# Altium PCB RTM_SFP.PcbDoc (part 16 of 17) (continued)
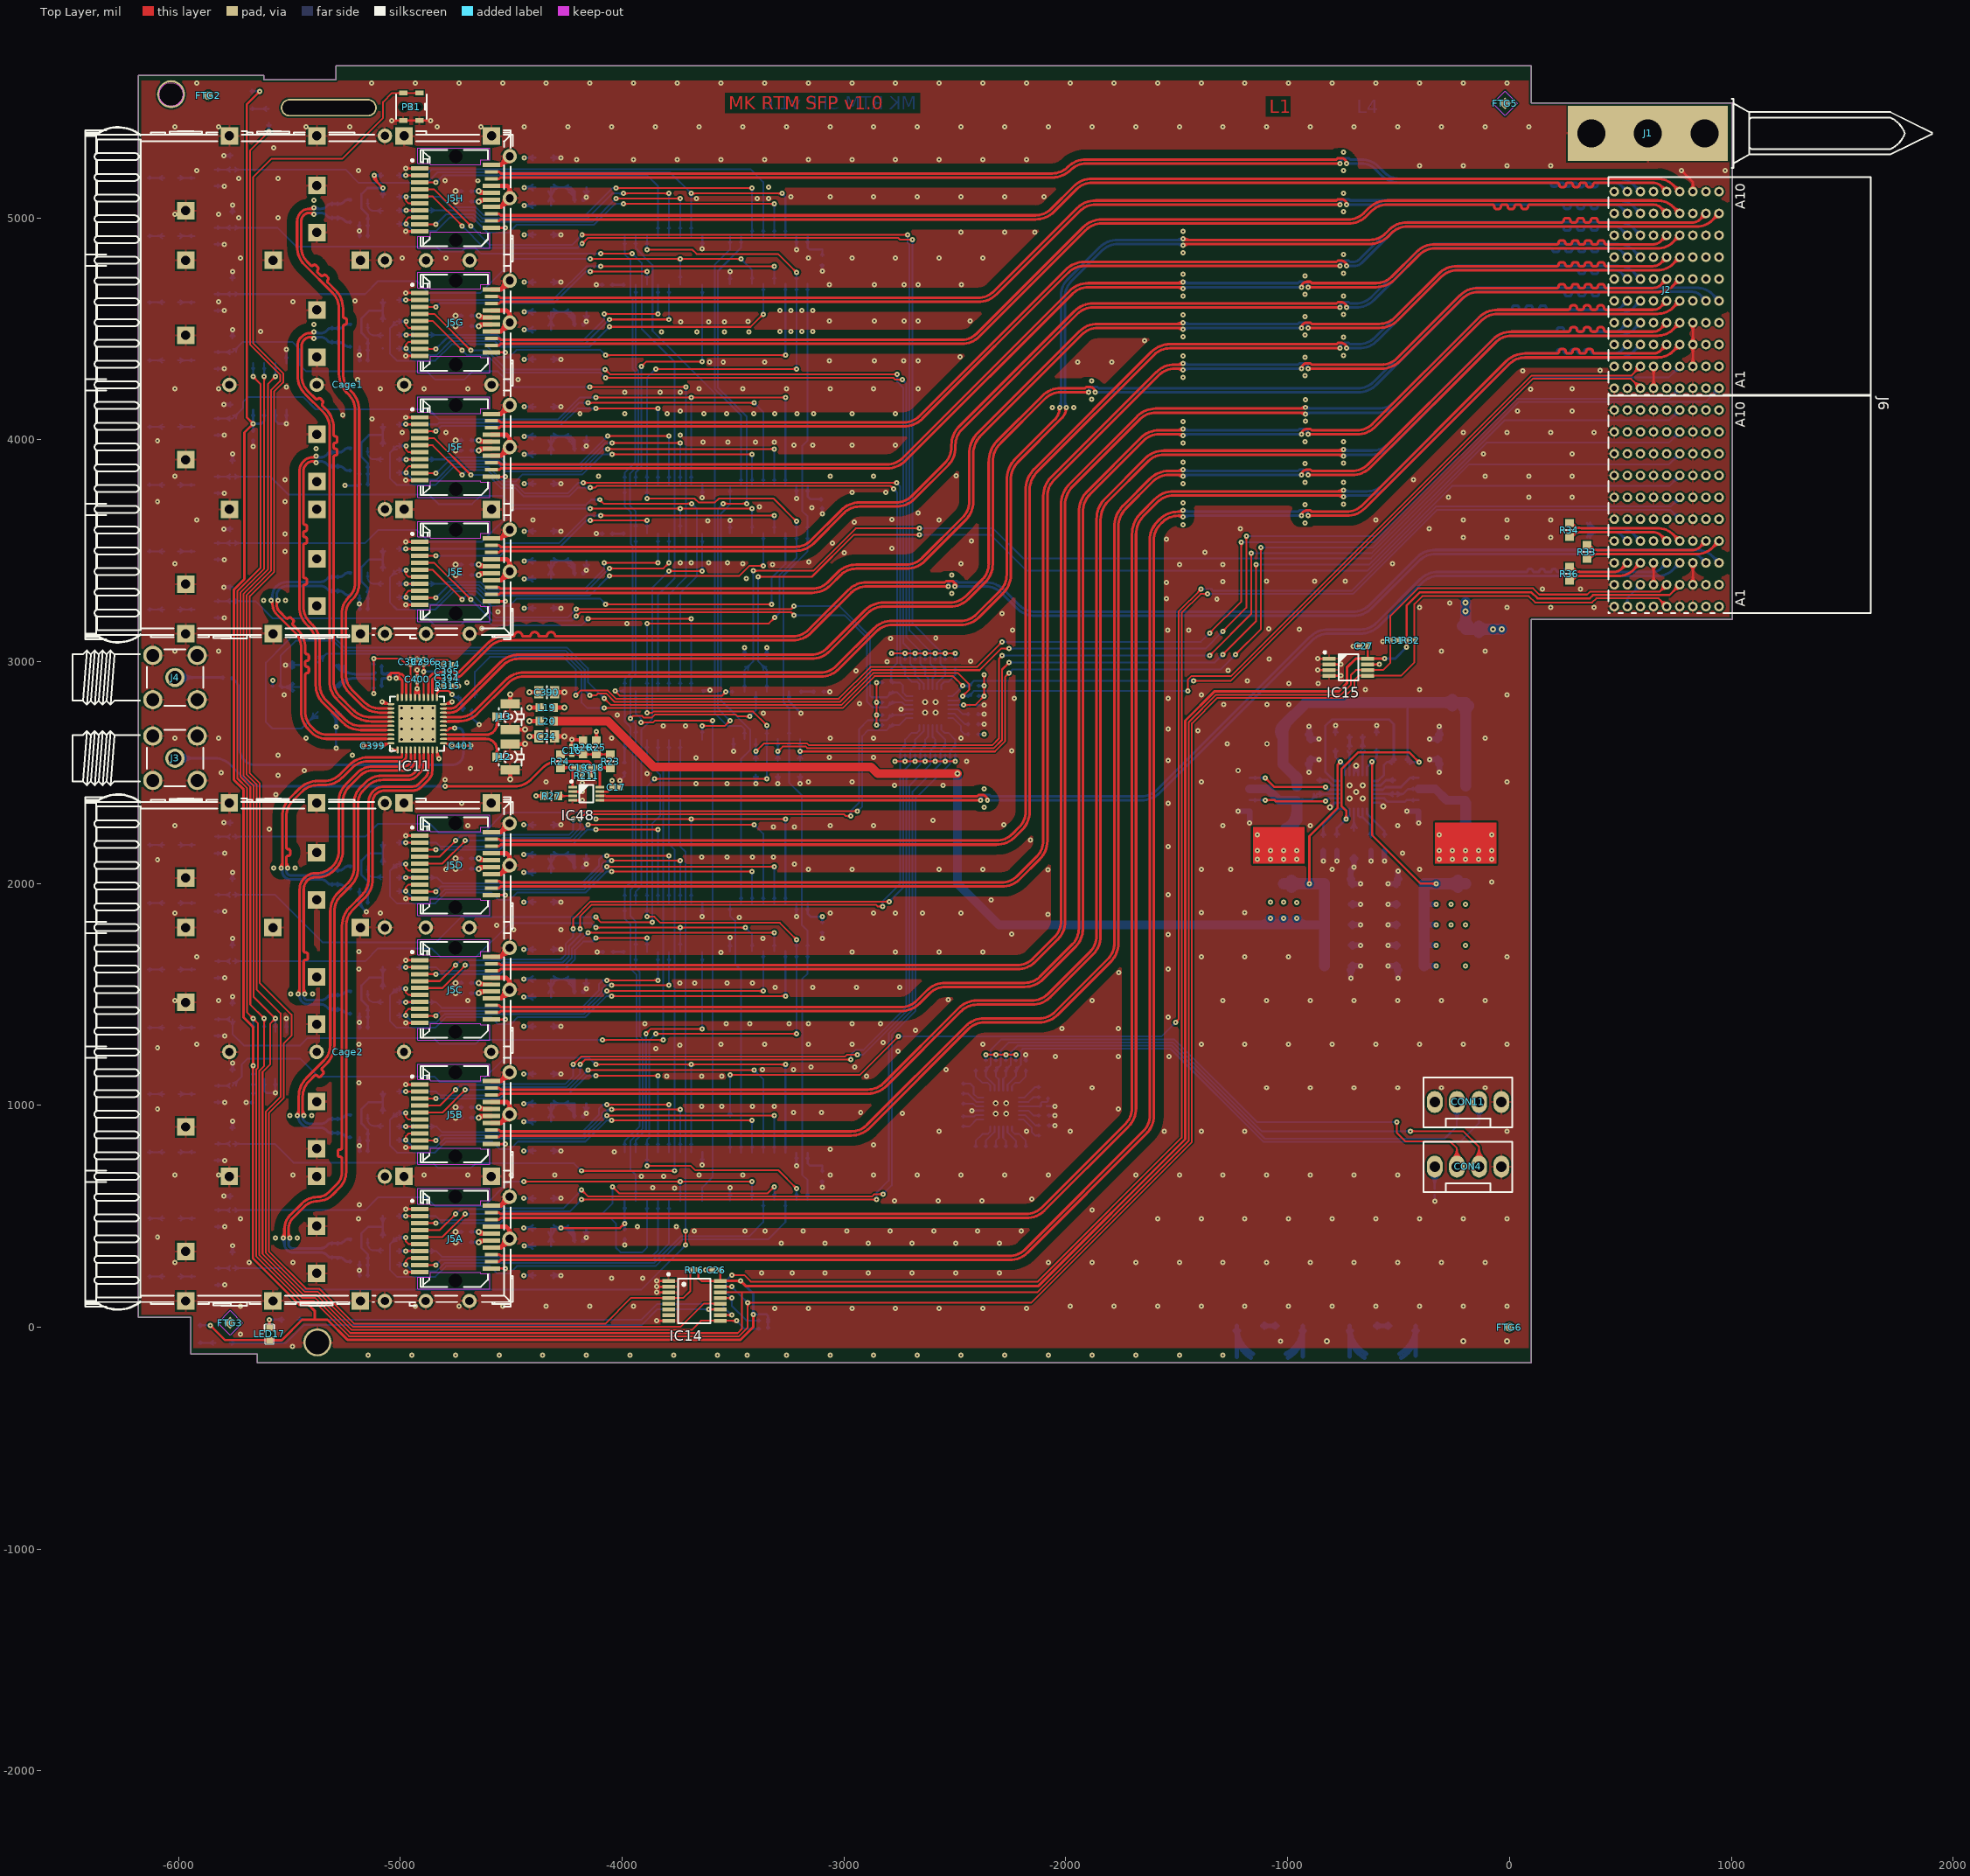
[diagram p0: Top Layer view]
## Nets (pads, with @x,y where several pads share a name; then routed paths per layer and width w, separated by ;. In a path a pad name is that pad's centre, name@x,y a point inside that pad or via, vN(x,y) a via of type N, cw(c..) or ccw(c..) an arc to the next point about the centre after c; other vN are vias at no path point) (continued)
  Bottom Layer w7.99: R400G.1@-5015.75,4629.92 v1@-4975.98,4629.92 ; R400G.1@-5006.05,4620.22 cw(c-4982.62,4596.79) -4982.62,4629.92 cw(c-4982.63,4663.04) R400G.1@-5006.05,4639.62 ; -4996.61,4626.17 cw(c-4991.2,4606) v1@-4979.94,4623.59 ; -4995.79,4633.45 ccw(c-4991.16,4650.73) v1@-4980.42,4636.42 ; -4990.76,4627.74 ccw(c-4994.29,4640.89) v1@-4982.5,4634.08 ; -4989.75,4631.83 cw(c-4992.84,4620.29) v1@-4982.5,4626.27 ; v1(-4975.73,4630.17) -4312.35,4630.17 -4161.42,4781.1 v1(-4097.64,4781.1) ; IC2.4@-3319.7,4726.45 ccw(c-3333.04,4739.79) -3314.17,4739.79 ccw(c-3295.31,4739.79) IC2.4@-3308.65,4726.45 ; IC2.4@-3314.17,4702.22 v1@-3314.17,4777.17 ; -4956.86,4630.17 cw(c-4956.86,4649.04) -4970.21,4635.7 ccw(c-4956.86,4649.04) -4956.86,4630.17 ; -4956.86,4630.17 ccw(c-4956.86,4611.31) -4970.21,4624.65 cw(c-4956.86,4611.31) -4956.86,4630.17 ; -4116.5,4781.1 cw(c-4116.5,4762.24) -4103.16,4775.58 ccw(c-4116.5,4762.24) -4116.5,4781.1 ; -4116.5,4781.1 ccw(c-4116.5,4799.97) -4103.16,4786.63 cw(c-4116.5,4799.97) -4116.5,4781.1 ; -3314.17,4762.24 cw(c-3295.31,4762.24) -3308.65,4775.58 ccw(c-3295.31,4762.24) -3314.17,4762.24 ; -3314.17,4762.24 ccw(c-3333.04,4762.24) -3319.7,4775.58 cw(c-3333.04,4762.24) -3314.17,4762.24 ; -4995.21,4629.92 ccw(c-4995.21,4649.65) -4981.26,4635.7 cw(c-4995.21,4649.65) -4995.21,4629.92 ; -4993.99,4629.92 cw(c-4993.99,4611.91) -4981.26,4624.65 ccw(c-4993.99,4611.91) -4993.99,4629.92
SFP_TXFAULT3: IC5.12 J5F.2 R400F.1 | length 2676.2
  Top Layer w7.99: v1(-4975.73,4069.15) J5F.2@-4912.42,4069.15 ; J5F.2@-4946.08,4065.02 ccw(c-4956.06,4055.04) -4956.06,4069.15 ccw(c-4956.06,4083.26) J5F.2@-4946.08,4073.28 ; v1(-4154.33,4165.75) v1(-3404.72,4165.75) ; -4956.86,4069.15 cw(c-4956.86,4088.02) -4970.21,4074.68 ccw(c-4956.86,4088.02) -4956.86,4069.15 ; -4956.86,4069.15 ccw(c-4956.86,4050.28) -4970.21,4063.62 cw(c-4956.86,4050.28) -4956.86,4069.15 ; -4135.46,4165.75 cw(c-4135.46,4184.62) -4148.8,4171.27 ccw(c-4135.46,4184.62) -4135.46,4165.75 ; -4135.46,4165.75 ccw(c-4135.46,4146.88) -4148.8,4160.22 cw(c-4135.46,4146.88) -4135.46,4165.75 ; -3423.59,4165.75 cw(c-3423.59,4146.88) -3410.25,4160.22 ccw(c-3423.59,4146.88) -3423.59,4165.75 ; -3423.59,4165.75 ccw(c-3423.59,4184.62) -3410.25,4171.27 cw(c-3423.59,4184.62) -3423.59,4165.75
  Bottom Layer w7.99: R400F.1@-5015.75,4068.9 v1@-4975.98,4068.9 ; R400F.1@-5006.05,4059.2 cw(c-4982.62,4035.77) -4982.62,4068.9 cw(c-4982.62,4102.02) R400F.1@-5006.05,4078.6 ; -4996.61,4065.15 cw(c-4991.2,4044.98) v1@-4979.95,4062.57 ; -4995.79,4072.43 ccw(c-4991.16,4089.71) v1@-4980.42,4075.4 ; -4990.76,4066.72 ccw(c-4994.28,4079.86) v1@-4982.5,4073.06 ; -4989.75,4070.81 cw(c-4992.85,4059.27) v1@-4982.5,4065.24 ; v1(-4975.73,4069.15) -4833.21,4069.15 -4825.41,4076.95 -4284.36,4076.95 -4195.57,4165.75 v1(-4154.33,4165.75) ; v1(-3404.72,4165.75) -3364.17,4125.2 IC5.12@-3364.17,3792.77 ; IC5.12@-3369.7,3817 ccw(c-3383.04,3830.34) -3364.17,3830.34 ccw(c-3345.31,3830.34) IC5.12@-3358.65,3817 ; -4956.86,4069.15 cw(c-4956.86,4088.02) -4970.21,4074.68 ccw(c-4956.86,4088.02) -4956.86,4069.15 ; -4956.86,4069.15 ccw(c-4956.86,4050.28) -4970.21,4063.62 cw(c-4956.86,4050.28) -4956.86,4069.15 ; -4173.2,4165.75 cw(c-4173.2,4146.88) -4159.86,4160.22 ccw(c-4173.2,4146.88) -4173.2,4165.75 ; -4173.2,4165.75 ccw(c-4173.2,4184.62) -4159.86,4171.27 cw(c-4173.2,4184.62) -4173.2,4165.75 ; -3391.38,4152.41 cw(c-3378.04,4165.75) -3396.91,4165.75 ccw(c-3378.04,4165.75) -3391.38,4152.41 ; -3391.38,4152.41 ccw(c-3404.72,4139.07) -3404.72,4157.93 cw(c-3404.72,4139.07) -3391.38,4152.41 ; -4995.21,4068.9 ccw(c-4995.21,4088.63) -4981.26,4074.68 cw(c-4995.21,4088.63) -4995.21,4068.9 ; -4993.99,4068.9 cw(c-4993.99,4050.89) -4981.26,4063.62 ccw(c-4993.99,4050.89) -4993.99,4068.9
SFP_TXFAULT4: IC5.4 J5E.2 R400E.1 | length 2474.5
  Top Layer w7.99: v1(-4975.73,3508.13) J5E.2@-4912.42,3508.13 ; J5E.2@-4946.08,3503.99 ccw(c-4956.06,3494.01) -4956.06,3508.13 ccw(c-4956.06,3522.24) J5E.2@-4946.08,3512.26 ; v1(-4097.64,3659.06) v1(-3314.17,3659.06) ; -4956.86,3508.13 cw(c-4956.86,3526.99) -4970.21,3513.65 ccw(c-4956.86,3526.99) -4956.86,3508.13 ; -4956.86,3508.13 ccw(c-4956.86,3489.26) -4970.21,3502.6 cw(c-4956.86,3489.26) -4956.86,3508.13 ; -4078.77,3659.06 cw(c-4078.77,3677.92) -4092.11,3664.58 ccw(c-4078.77,3677.92) -4078.77,3659.06 ; -4078.77,3659.06 ccw(c-4078.77,3640.19) -4092.11,3653.53 cw(c-4078.77,3640.19) -4078.77,3659.06 ; -3333.04,3659.06 cw(c-3333.04,3640.19) -3319.7,3653.53 ccw(c-3333.04,3640.19) -3333.04,3659.06 ; -3333.04,3659.06 ccw(c-3333.04,3677.92) -3319.7,3664.58 cw(c-3333.04,3677.92) -3333.04,3659.06
  Bottom Layer w7.99: R400E.1@-5015.75,3507.87 v1@-4975.98,3507.87 ; R400E.1@-5006.05,3498.17 cw(c-4982.62,3474.75) -4982.62,3507.87 cw(c-4982.62,3541) R400E.1@-5006.05,3517.58 ; -4996.61,3504.13 cw(c-4991.2,3483.96) v1@-4979.95,3501.54 ; -4995.79,3511.4 ccw(c-4991.16,3528.68) v1@-4980.42,3514.38 ; -4990.76,3505.69 ccw(c-4994.28,3518.84) v1@-4982.5,3512.03 ; -4989.75,3509.78 cw(c-4992.85,3498.25) v1@-4982.5,3504.22 ; v1(-4975.73,3508.13) -4550.14,3508.13 -4525.2,3533.07 -4285.43,3533.07 -4159.45,3659.06 v1(-4097.64,3659.06) ; IC5.4@-3319.7,3604.4 ccw(c-3333.04,3617.74) -3314.17,3617.74 ccw(c-3295.31,3617.74) IC5.4@-3308.65,3604.4 ; IC5.4@-3314.17,3580.17 v1@-3314.17,3655.12 ; -4956.86,3508.13 cw(c-4956.86,3526.99) -4970.21,3513.65 ccw(c-4956.86,3526.99) -4956.86,3508.13 ; -4956.86,3508.13 ccw(c-4956.86,3489.26) -4970.21,3502.6 cw(c-4956.86,3489.26) -4956.86,3508.13 ; -4116.5,3659.06 cw(c-4116.5,3640.19) -4103.16,3653.53 ccw(c-4116.5,3640.19) -4116.5,3659.06 ; -4116.5,3659.06 ccw(c-4116.5,3677.92) -4103.16,3664.58 cw(c-4116.5,3677.92) -4116.5,3659.06 ; -3314.17,3640.19 cw(c-3295.31,3640.19) -3308.65,3653.53 ccw(c-3295.31,3640.19) -3314.17,3640.19 ; -3314.17,3640.19 ccw(c-3333.04,3640.19) -3319.7,3653.53 cw(c-3333.04,3640.19) -3314.17,3640.19 ; -4995.21,3507.87 ccw(c-4995.21,3527.6) -4981.26,3513.65 cw(c-4995.21,3527.6) -4995.21,3507.87 ; -4993.99,3507.87 cw(c-4993.99,3489.87) -4981.26,3502.6 ccw(c-4993.99,3489.87) -4993.99,3507.87
SFP_TXFAULT5: IC7.12 J5D.2 R400D.1 | length 2669.2
  Top Layer w7.99: v1(-4976.29,2184.1) J5D.2@-4912.98,2184.1 ; J5D.2@-4946.64,2179.97 ccw(c-4956.62,2169.99) -4956.62,2184.1 ccw(c-4956.62,2198.22) J5D.2@-4946.64,2188.24 ; v1(-4154.33,2264.95) v1(-3404.72,2264.95) ; -4957.42,2184.1 cw(c-4957.42,2202.97) -4970.76,2189.63 ccw(c-4957.42,2202.97) -4957.42,2184.1 ; -4957.42,2184.1 ccw(c-4957.42,2165.24) -4970.76,2178.58 cw(c-4957.42,2165.24) -4957.42,2184.1 ; -4135.46,2264.95 cw(c-4135.46,2283.82) -4148.8,2270.48 ccw(c-4135.46,2283.82) -4135.46,2264.95 ; -4135.46,2264.95 ccw(c-4135.46,2246.09) -4148.8,2259.43 cw(c-4135.46,2246.09) -4135.46,2264.95 ; -3423.59,2264.95 cw(c-3423.59,2246.09) -3410.25,2259.43 ccw(c-3423.59,2246.09) -3423.59,2264.95 ; -3423.59,2264.95 ccw(c-3423.59,2283.82) -3410.25,2270.48 cw(c-3423.59,2283.82) -3423.59,2264.95
  Bottom Layer w7.99: R400D.1@-5016.31,2183.85 v1@-4976.54,2183.85 ; R400D.1@-5006.05,2174.4 cw(c-4983.23,2151.59) v1@-4983.23,2183.85 ; R400D.1@-5006.05,2193.8 ccw(c-4982.02,2217.84) v1@-4982.02,2183.85 ; -4996.76,2180.23 cw(c-4991.61,2160.99) v1@-4980.61,2177.59 ; -4996.12,2187.63 ccw(c-4991.45,2205.08) v1@-4980.87,2190.44 ; -4991.3,2181.69 ccw(c-4994.81,2194.79) v1@-4983.06,2188.01 ; -4990.94,2186.24 cw(c-4994.3,2173.71) v1@-4983.06,2180.2 ; v1(-4976.29,2184.1) -4838.76,2184.1 -4821.26,2166.6 -4558.07,2166.6 -4533.91,2190.76 -4228.52,2190.76 v1(-4154.33,2264.95) ; v1(-3404.72,2264.95) -3364.17,2224.4 IC7.12@-3364.17,1907.72 ; IC7.12@-3369.7,1931.95 ccw(c-3383.04,1945.29) -3364.17,1945.29 ccw(c-3345.31,1945.29) IC7.12@-3358.65,1931.95 ; -4957.42,2184.1 cw(c-4957.42,2202.97) -4970.76,2189.63 ccw(c-4957.42,2202.97) -4957.42,2184.1 ; -4957.42,2184.1 ccw(c-4957.42,2165.24) -4970.76,2178.58 cw(c-4957.42,2165.24) -4957.42,2184.1 ; -4167.67,2251.61 cw(c-4154.33,2238.27) -4154.33,2257.14 ccw(c-4154.33,2238.27) -4167.67,2251.61 ; -4167.67,2251.61 ccw(c-4181.01,2264.95) -4162.15,2264.95 cw(c-4181.01,2264.95) -4167.67,2251.61 ; -3391.38,2251.61 cw(c-3378.04,2264.95) -3396.91,2264.95 ccw(c-3378.04,2264.95) -3391.38,2251.61 ; -3391.38,2251.61 ccw(c-3404.72,2238.27) -3404.72,2257.14 cw(c-3404.72,2238.27) -3391.38,2251.61 ; -4995.77,2183.85 ccw(c-4995.77,2203.58) -4981.82,2189.63 cw(c-4995.77,2203.58) -4995.77,2183.85 ; -4994.55,2183.85 cw(c-4994.55,2165.84) -4981.82,2178.58 ccw(c-4994.55,2165.84) -4994.55,2183.85
SFP_TXFAULT6: IC7.4 J5C.2 R400C.1 | length 2524.2
  Top Layer w7.99: v1(-4976.29,1623.08) J5C.2@-4912.98,1623.08 ; J5C.2@-4946.64,1618.95 ccw(c-4956.62,1608.96) -4956.62,1623.08 ccw(c-4956.62,1637.19) J5C.2@-4946.64,1627.21 ; v1(-4154.33,1778.73) v1(-3314.17,1778.73) ; -4957.42,1623.08 cw(c-4957.42,1641.95) -4970.76,1628.61 ccw(c-4957.42,1641.95) -4957.42,1623.08 ; -4957.42,1623.08 ccw(c-4957.42,1604.21) -4970.76,1617.55 cw(c-4957.42,1604.21) -4957.42,1623.08 ; -4135.46,1778.73 cw(c-4135.46,1797.6) -4148.8,1784.26 ccw(c-4135.46,1797.6) -4135.46,1778.73 ; -4135.46,1778.73 ccw(c-4135.46,1759.86) -4148.8,1773.21 cw(c-4135.46,1759.86) -4135.46,1778.73 ; -3333.04,1778.73 cw(c-3333.04,1759.86) -3319.7,1773.21 ccw(c-3333.04,1759.86) -3333.04,1778.73 ; -3333.04,1778.73 ccw(c-3333.04,1797.6) -3319.7,1784.26 cw(c-3333.04,1797.6) -3333.04,1778.73
  Bottom Layer w7.99: R400C.1@-5016.31,1622.83 v1@-4976.54,1622.83 ; R400C.1@-5006.05,1613.13 cw(c-4982.62,1589.7) -4982.62,1622.83 cw(c-4982.62,1655.95) R400C.1@-5006.05,1632.53 ; -4996.85,1619.02 cw(c-4991.54,1599.19) v1@-4980.5,1616.49 ; -4996.04,1626.42 ccw(c-4991.5,1643.35) v1@-4980.98,1629.33 ; -4991.62,1620.42 ccw(c-4995.27,1634.04) v1@-4983.06,1626.99 ; -4990.61,1624.97 cw(c-4993.83,1612.95) v1@-4983.06,1619.17 ; v1(-4976.29,1623.08) -4838.76,1623.08 -4821.26,1605.58 -4558.07,1605.58 -4533.91,1629.74 -4262.48,1629.74 -4226.95,1665.27 -4226.95,1706.11 v1(-4154.33,1778.73) ; IC7.4@-3319.7,1719.35 ccw(c-3333.04,1732.69) -3314.17,1732.69 ccw(c-3295.31,1732.69) IC7.4@-3308.65,1719.35 ; IC7.4@-3314.17,1695.13 v1(-3314.17,1778.73) ; -4957.42,1623.08 cw(c-4957.42,1641.95) -4970.76,1628.61 ccw(c-4957.42,1641.95) -4957.42,1623.08 ; -4957.42,1623.08 ccw(c-4957.42,1604.21) -4970.76,1617.55 cw(c-4957.42,1604.21) -4957.42,1623.08 ; -4167.67,1765.39 cw(c-4154.33,1752.05) -4154.33,1770.92 ccw(c-4154.33,1752.05) -4167.67,1765.39 ; -4167.67,1765.39 ccw(c-4181.01,1778.73) -4162.15,1778.73 cw(c-4181.01,1778.73) -4167.67,1765.39 ; -3314.17,1759.86 cw(c-3295.31,1759.86) -3308.65,1773.21 ccw(c-3295.31,1759.86) -3314.17,1759.86 ; -3314.17,1759.86 ccw(c-3333.04,1759.86) -3319.7,1773.21 cw(c-3333.04,1759.86) -3314.17,1759.86 ; -4995.77,1622.83 ccw(c-4995.77,1642.55) -4981.82,1628.61 cw(c-4995.77,1642.55) -4995.77,1622.83 ; -4994.55,1622.83 cw(c-4994.55,1604.82) -4981.82,1617.55 ccw(c-4994.55,1604.82) -4994.55,1622.83
SFP_TXFAULT7: IC9.12 J5B.2 R400B.1 | length 2691.4
  Top Layer w7.99: v1(-4976.29,1062.06) J5B.2@-4912.98,1062.06 ; J5B.2@-4946.64,1057.92 ccw(c-4956.62,1047.94) -4956.62,1062.06 ccw(c-4956.62,1076.17) J5B.2@-4946.64,1066.19 ; v1(-4154.33,1158.65) v1(-3404.72,1158.65) ; -4957.42,1062.06 cw(c-4957.42,1080.92) -4970.76,1067.58 ccw(c-4957.42,1080.92) -4957.42,1062.06 ; -4957.42,1062.06 ccw(c-4957.42,1043.19) -4970.76,1056.53 cw(c-4957.42,1043.19) -4957.42,1062.06 ; -4135.46,1158.65 cw(c-4135.46,1177.52) -4148.8,1164.18 ccw(c-4135.46,1177.52) -4135.46,1158.65 ; -4135.46,1158.65 ccw(c-4135.46,1139.79) -4148.8,1153.13 cw(c-4135.46,1139.79) -4135.46,1158.65 ; -3423.59,1158.65 cw(c-3423.59,1139.79) -3410.25,1153.13 ccw(c-3423.59,1139.79) -3423.59,1158.65 ; -3423.59,1158.65 ccw(c-3423.59,1177.52) -3410.25,1164.18 cw(c-3423.59,1177.52) -3423.59,1158.65
  Bottom Layer w7.99: R400B.1@-5016.31,1061.8 R400B.1@-5015.75,1061.8 v1@-4976.54,1061.8 ; R400B.1@-5006.05,1052.1 cw(c-4982.62,1028.68) -4982.62,1061.8 cw(c-4982.62,1094.93) R400B.1@-5006.05,1071.51 ; -4996.85,1057.99 cw(c-4991.54,1038.17) v1@-4980.5,1055.47 ; -4996.04,1065.4 ccw(c-4991.5,1082.33) v1@-4980.98,1068.31 ; -4991.62,1059.39 ccw(c-4995.27,1073.01) v1@-4983.06,1065.96 ; -4990.61,1063.94 cw(c-4993.83,1051.93) v1@-4983.06,1058.15 ; v1(-4976.29,1062.06) -4838.76,1062.06 -4821.26,1044.55 -4558.07,1044.55 -4533.91,1068.72 -4244.27,1068.72 v1(-4154.33,1158.65) ; v1(-3404.72,1158.65) -3364.17,1118.1 IC9.12@-3364.17,785.68 ; IC9.12@-3369.7,809.9 ccw(c-3383.04,823.24) -3364.17,823.24 ccw(c-3345.31,823.24) IC9.12@-3358.65,809.9 ; -4957.42,1062.06 cw(c-4957.42,1080.92) -4970.76,1067.58 ccw(c-4957.42,1080.92) -4957.42,1062.06 ; -4957.42,1062.06 ccw(c-4957.42,1043.19) -4970.76,1056.53 cw(c-4957.42,1043.19) -4957.42,1062.06 ; -4167.67,1145.31 cw(c-4154.33,1131.97) -4154.33,1150.84 ccw(c-4154.33,1131.97) -4167.67,1145.31 ; -4167.67,1145.31 ccw(c-4181.01,1158.65) -4162.15,1158.65 cw(c-4181.01,1158.65) -4167.67,1145.31 ; -3391.38,1145.31 cw(c-3378.04,1158.65) -3396.91,1158.65 ccw(c-3378.04,1158.65) -3391.38,1145.31 ; -3391.38,1145.31 ccw(c-3404.72,1131.97) -3404.72,1150.84 cw(c-3404.72,1131.97) -3391.38,1145.31 ; -4995.77,1061.8 ccw(c-4995.77,1081.53) -4981.82,1067.58 cw(c-4995.77,1081.53) -4995.77,1061.8 ; -4994.55,1061.8 cw(c-4994.55,1043.8) -4981.82,1056.53 ccw(c-4994.55,1043.8) -4994.55,1061.8
SFP_TXFAULT8: IC9.4 J5A.2 R400A.1 | length 2597.1
  Top Layer w7.99: v1(-4976.29,501.03) J5A.2@-4912.98,501.03 ; J5A.2@-4946.64,496.9 ccw(c-4956.62,486.92) -4956.62,501.03 ccw(c-4956.62,515.15) J5A.2@-4946.64,505.17 ; v1@-4044.27,633.43 ccw(c-4031.03,636.14) -4034.53,623.09 ; v1(-4044.09,633.46) -4013.81,603.18 -3344.46,603.18 v1(-3314.17,633.46) ; v1@-4044.06,633.64 cw(c-4046.77,620.4) -4033.72,623.9 ; -3324.55,623.9 cw(c-3311.5,620.4) v1@-3314.21,633.64 ; -3323.74,623.09 ccw(c-3327.24,636.14) v1@-3314,633.43 ; -4957.42,501.03 cw(c-4957.42,519.9) -4970.76,506.56 ccw(c-4957.42,519.9) -4957.42,501.03 ; -4957.42,501.03 ccw(c-4957.42,482.16) -4970.76,495.51 cw(c-4957.42,482.16) -4957.42,501.03 ; -4030.75,620.12 cw(c-4017.41,633.46) -4036.28,633.46 ccw(c-4017.41,633.46) -4030.75,620.12 ; -4030.75,620.12 ccw(c-4044.09,606.78) -4044.09,625.65 cw(c-4044.09,606.78) -4030.75,620.12 ; -3327.51,620.12 cw(c-3314.17,606.78) -3314.17,625.65 ccw(c-3314.17,606.78) -3327.51,620.12 ; -3327.51,620.12 ccw(c-3340.86,633.46) -3321.99,633.46 cw(c-3340.86,633.46) -3327.51,620.12
  Bottom Layer w7.99: R400A.1@-5016.31,500.78 R400A.1@-5015.75,500.78 v1@-4976.54,500.78 ; R400A.1@-5006.05,491.08 cw(c-4982.62,467.66) -4982.62,500.78 cw(c-4982.62,533.9) R400A.1@-5006.05,510.48 ; -4996.85,496.97 cw(c-4991.54,477.14) v1@-4980.5,494.44 ; -4996.04,504.37 ccw(c-4991.5,521.3) v1@-4980.98,507.28 ; -4991.62,498.37 ccw(c-4995.27,511.99) v1@-4983.06,504.94 ; -4990.61,502.92 cw(c-4993.83,490.9) v1@-4983.06,497.12 ; v1(-4976.29,501.03) -4840.73,501.03 -4823.22,483.53 -4556.11,483.53 -4531.79,507.84 -4093.34,507.84 -4044.09,557.09 v1(-4044.09,633.46) ; IC9.4@-3319.7,597.31 ccw(c-3333.04,610.65) -3314.17,610.65 ccw(c-3295.31,610.65) IC9.4@-3308.65,597.31 ; IC9.4@-3314.17,573.08 v1(-3314.17,633.46) ; -4957.42,501.03 cw(c-4957.42,519.9) -4970.76,506.56 ccw(c-4957.42,519.9) -4957.42,501.03 ; -4957.42,501.03 ccw(c-4957.42,482.16) -4970.76,495.51 cw(c-4957.42,482.16) -4957.42,501.03 ; -4044.09,614.6 cw(c-4025.23,614.6) -4038.57,627.94 ccw(c-4025.23,614.6) -4044.09,614.6 ; -4044.09,614.6 ccw(c-4062.96,614.6) -4049.62,627.94 cw(c-4062.96,614.6) -4044.09,614.6 ; -3314.17,614.6 cw(c-3295.31,614.6) -3308.65,627.94 ccw(c-3295.31,614.6) -3314.17,614.6 ; -3314.17,614.6 ccw(c-3333.04,614.6) -3319.7,627.94 cw(c-3333.04,614.6) -3314.17,614.6 ; -4995.77,500.78 ccw(c-4995.77,520.51) -4981.82,506.56 cw(c-4995.77,520.51) -4995.77,500.78 ; -4994.55,500.78 cw(c-4994.55,482.77) -4981.82,495.51 ccw(c-4994.55,482.77) -4994.55,500.78
SI_CLK_N: C393.2 OSC1.5 | length 549.2
  Bottom Layer w12: OSC1.5@-5289.76,2884.65 -5278.11,2896.3 cw(c-5207.4,2825.59) -5247.97,2916.99 cw(c-5207.4,2825.59) -5207.4,2925.59 -5118.5,2925.59 C393.2@-5112.6,2919.68 ; OSC1.5@-5270.12,2909.9 ccw(c-5260.89,2931.52) -5244.69,2914.49 ccw(c-5223.99,2892.74) OSC1.5@-5253.71,2888.51 ; OSC1.5@-5250.66,2916.35 ccw(c-5236.68,2857.63) -5288.19,2889.1 cw(c-5236.68,2857.63) OSC1.5@-5247.96,2916.93 ; -5222.61,2923.03 ccw(c-5201.98,2836.43) -5277.95,2882.84 cw(c-5201.98,2836.43) -5207.38,2925.29 ; -5122.19,2922.56 ccw(c-5116.84,2931.83) C393.2@-5114.07,2921.5 ; -5132.36,2925.59 cw(c-5132.36,2900.9) -5114.91,2918.36 ccw(c-5132.36,2900.9) -5132.36,2925.59
SI_CLK_P: C392.2 OSC1.4 | length 543
  Bottom Layer w12: OSC1.4@-5289.76,2984.65 -5278,2972.88 ccw(c-5207.29,3043.59) -5248.57,2952.51 ccw(c-5207.29,3043.59) -5207.29,2943.59 -5118.61,2943.59 C392.2@-5112.6,2949.61 ; OSC1.4@-5277.93,2986.03 ccw(c-5203.09,3030.83) -5207.26,2943.71 ; OSC1.4@-5277.93,2986.43 ccw(c-5203.09,3031.22) -5223.68,2946.46 ; OSC1.4@-5270.27,2959.33 cw(c-5261.44,2938.31) -5245.58,2954.68 cw(c-5225.74,2975.16) OSC1.4@-5253.84,2979.99 ; -5122.19,2946.73 cw(c-5116.84,2937.46) C392.2@-5114.07,2947.8 ; OSC1.4@-5288.23,2980.26 ccw(c-5237.6,3010.57) -5251.53,2953.23 cw(c-5237.6,3010.57) OSC1.4@-5288.23,2980.26 ; -5132.63,2943.59 ccw(c-5132.63,2968.65) -5114.91,2950.93 cw(c-5132.63,2968.65) -5132.63,2943.59
SYNC_CLK_N: C395.2 J6.B3 | length 6433.9
  Top Layer w12: C395.2@-4776.38,2952.76 -4761.44,2952.76 -4755.68,2946.99 -4751.32,2946.99 ccw(c-4751.32,2968.9) -4735.84,2953.4 -4609.04,3080.2 cw(c-4526.06,2997.22) -4526.06,3114.57 -4487.36,3114.57 cw(c-4468.86,3114.57) -4450.36,3114.57 -4413.36,3114.57 cw(c-4394.86,3114.57) -4376.36,3114.57 -4339.36,3114.57 cw(c-4320.86,3114.57) -4302.36,3114.57 -3230.19,3114.57 ccw(c-3230.19,3214.57) -3159.48,3143.86 -2980.27,3323.07 cw(c-2898.59,3241.39) -2898.59,3356.9 -2545.97,3356.9 -2540.18,3362.69 -2508.36,3362.69 ; v1(-2500.39,3338.88) -2500.39,3354.72 -2508.36,3362.69 ; -2508.36,3362.69 cw(c-2520.76,3350.29) v1@-2505.46,3341.72 ; -2508.36,3362.69 cw(c-2520.76,3350.29) v1@-2505.46,3341.72 ; -2508.36,3362.69 cw(c-2520.76,3350.29) v1@-2505.46,3341.72 ; v1@-2504.5,3342.99 ccw(c-2514.42,3352.91) -2500.39,3352.91 ; v1@-2504.5,3342.99 ccw(c-2514.42,3352.91) -2500.39,3352.91 ; v1@-2504.5,3342.99 ccw(c-2514.42,3352.91) -2500.39,3352.91 ; -2500.39,3352.91 ccw(c-2486.36,3352.91) v1@-2496.28,3342.99 ; -2500.39,3352.91 ccw(c-2486.36,3352.91) v1@-2496.28,3342.99 ; -2500.39,3352.91 ccw(c-2486.36,3352.91) v1@-2496.28,3342.99 ; -2497.15,3351.49 cw(c-2506.4,3342.24) v1@-2494.99,3335.86 ; -2497.15,3351.49 cw(c-2506.4,3342.24) v1@-2494.99,3335.86 ; -2497.15,3351.49 cw(c-2506.4,3342.24) v1@-2494.99,3335.86
  Bottom Layer w12: v1(-2500.39,3338.88) -2361.27,3338.88 cw(c-2361.27,3238.88) -2290.56,3309.59 -2221.74,3240.77 ccw(c-2138.79,3323.72) -2138.79,3206.41 -704.02,3206.41 ccw(c-704.02,3323.78) -621.03,3240.79 -405.67,3456.14 cw(c-334.96,3385.43) -334.96,3485.43 824.37,3485.43 cw(c824.37,3434.96) 860.06,3470.65 ; J6.B3@885.83,3444.88 860.06,3470.65 ; v1@-2496.28,3334.77 cw(c-2486.36,3324.85) -2486.36,3338.88 ; v1@-2496.28,3334.77 cw(c-2486.36,3324.85) -2486.36,3338.88 ; v1@-2496.28,3334.77 cw(c-2486.36,3324.85) -2486.36,3338.88 ; v1@-2496.28,3342.99 ccw(c-2486.36,3352.91) -2486.36,3338.88 ; v1@-2496.28,3342.99 ccw(c-2486.36,3352.91) -2486.36,3338.88 ; v1@-2496.28,3342.99 ccw(c-2486.36,3352.91) -2486.36,3338.88 ; 860.06,3470.65 cw(c835.6,3446.19) 870.18,3445.29 ccw(c835.6,3446.19) 860.06,3470.65 ; 860.06,3470.65 ccw(c884.52,3495.11) 885.42,3460.53 cw(c884.52,3495.11) 860.06,3470.65
SYNC_CLK_P: C394.2 J6.A3 | length 6391.4
  Top Layer w12: C394.2@-4776.38,2923.23 -4761.44,2923.23 -4755.68,2928.99 -4750.24,2928.99 ccw(c-4750.24,2966.31) -4723.86,2939.92 -4596.5,3067.28 cw(c-4525.79,2996.57) -4525.79,3096.57 -3229.24,3096.57 ccw(c-3229.24,3212.28) -3147.42,3130.46 -2968.27,3309.61 cw(c-2897.56,3238.9) -2897.56,3338.9 v1(-2530.31,3338.88) ; -2544.38,3338.9 cw(c-2544.38,3324.82) v1@-2534.42,3334.77 ; -2544.38,3338.9 cw(c-2544.38,3324.82) v1@-2534.42,3334.77 ; -2544.38,3338.9 cw(c-2544.38,3324.82) v1@-2534.42,3334.77 ; -2544.31,3338.9 ccw(c-2544.31,3352.87) v1@-2534.42,3342.99 ; -2544.31,3338.9 ccw(c-2544.31,3352.87) v1@-2534.42,3342.99 ; -2544.31,3338.9 ccw(c-2544.31,3352.87) v1@-2534.42,3342.99
  Bottom Layer w12: v1(-2530.31,3338.88) -2530.31,3353.15 -2520.77,3362.69 ; J6.A3@944.88,3444.88 915.62,3474.14 ccw(c844.91,3403.43) 844.91,3503.43 -335.26,3503.43 ccw(c-335.26,3386.17) -418.18,3469.09 -633.57,3253.7 cw(c-704.28,3324.41) -704.28,3224.41 -2138.5,3224.41 cw(c-2138.5,3324.41) -2209.21,3253.7 -2277.96,3322.45 ccw(c-2361.09,3239.31) -2361.09,3356.88 -2484.72,3356.88 -2490.53,3362.69 -2520.77,3362.69 ; v1@-2534.42,3342.99 ccw(c-2544.34,3352.91) -2530.31,3352.91 ; v1@-2534.42,3342.99 ccw(c-2544.34,3352.91) -2530.31,3352.91 ; v1@-2534.42,3342.99 ccw(c-2544.34,3352.91) -2530.31,3352.91 ; -2530.31,3352.91 ccw(c-2516.29,3352.91) v1@-2526.21,3342.99 ; -2530.31,3352.91 ccw(c-2516.29,3352.91) v1@-2526.21,3342.99 ; -2530.31,3352.91 ccw(c-2516.29,3352.91) v1@-2526.21,3342.99 ; v1@-2524.96,3341.15 cw(c-2506.89,3348.81) -2520.77,3362.69 ; v1@-2524.96,3341.15 cw(c-2506.89,3348.81) -2520.77,3362.69 ; v1@-2524.96,3341.15 cw(c-2506.89,3348.81) -2520.77,3362.69 ; 918.16,3471.6 cw(c891.44,3444.88) 929.23,3444.88 ccw(c891.44,3444.88) 918.16,3471.6 ; 918.16,3471.6 ccw(c944.88,3498.33) 944.88,3460.54 cw(c944.88,3498.33) 918.16,3471.6
pads on no net: FTG1.1 FTG2.FTG2 FTG3.1 FTG4.FTG2 FTG5.1 FTG6.FTG2 FTG7.1 FTG8.FTG2 IC1.12 IC2.7 IC3.10 IC4.10 IC5.7 IC6.10 IC7.7 IC8.10 IC9.7 IC10.10 IC11.10 IC11.35 IC12.5 IC14.5 IC14.6 IC14.7 J2.A3 J2.A4 J2.A6 J2.A7 J2.A8 J2.A10 J2.B1 J2.B2 J2.B3 J2.B4 J2.B6 J2.B7 J2.B8 J2.B10 J2.D1 J2.D2 J2.F1 J2.F2 J5A.MTG1 J5A.MTG2 J5B.MTG1 J5B.MTG2 J5C.MTG1 J5C.MTG2 J5D.MTG1 J5D.MTG2 J5E.MTG1 J5E.MTG2 J5F.MTG1 J5F.MTG2 J5G.MTG1 J5G.MTG2 J5H.MTG1 J5H.MTG2 J6.A8 J6.A9 J6.A10 J6.B7 J6.B8 J6.B9 J6.B10 J6.D5 J6.D6 J6.D7 J6.D8 J6.D9 J6.D10 J6.E1 J6.F2 LD1A.3 LD1B.3 LD1C.3 LD1D.3 LD1E.3 LD1F.3 LD1G.3 LD1H.3 LD2A.3 LD2B.3 LD2C.3 LD2D.3 LD2E.3 LD2F.3 LD2G.3 LD2H.3 LDx.3 LDy.3 OSC1.1 PB1.5 PB1.10

## Polygon pours and split planes (outlines as drawn)
P3V3 on Bottom Layer "Bottom Layer-GND" (solid, remove dead copper, pour order 18): -6181.12,5618.9 98.38,5618.9 98.38,5518.13 1003.88,5518.13 1003.88,3189.43 98.38,3189.43 98.43,-94.49 -5944.92,-94.49 -5944.92,43.73 -6181.12,43.73
P3V3 on Bottom Layer "Bottom Layer-P3V3" (solid, remove dead copper, pour order 17): -130.71,2046.06 -414.17,2046.06 -441.73,2018.5 -441.73,1609.06 -425.98,1593.31 -360.24,1593.31 -166.14,1593.31 -130.71,1628.74 -130.71,2046.06
P2V5 on Bottom Layer "Bottom Layer-P2V5" (solid, remove dead copper, pour order 14): -1085.43,2046.06 -801.97,2046.06 -774.41,2018.5 -774.41,1609.06 -790.16,1593.31 -855.91,1593.31 -1050,1593.31 -1085.43,1628.74 -1085.43,2046.06
NetC280_1 on Bottom Layer "Bottom Layer-NetC280_1" (solid, remove dead copper, pour order 15): -1156.69,2088.58 -1156.69,2274.8 -924.02,2274.8 -924.02,2088.58
NetC11_1 on Bottom Layer "Bottom Layer-NetC11_1" (solid, remove dead copper, pour order 16): -335.83,2088.58 -335.83,2274.8 -59.45,2274.8 -59.45,2088.58
GND on Top Layer "Top Layer-GND" (solid, remove dead copper, pour order 19): -6181.12,5618.9 98.43,5618.9 98.38,5518.13 1003.88,5518.13 1003.88,3189.43 98.38,3189.43 98.38,-94.49 -5944.92,-94.49 -5944.92,43.73 -6181.12,43.73
NetF1_1 on MidPlane_1 (split plane): 983.79,3209.53 98.38,3209.53 94.46,3209.14 90.69,3208 87.22,3206.14 84.17,3203.64 81.67,3200.6 79.81,3197.12 78.67,3193.35 78.29,3189.43 78.29,2973.13 -262.31,2973.13 -343.92,3054.74 -343.92,3324.52 -228.66,3439.78 983.79,3439.78
GND on MidPlane_1 (split plane): 232 vertices, not listed, extent -6161.02,-140.87 983.79,5665.43
NetC219G_1 on MidPlane_2 (split plane): -4361.4,4512.85 -4361.4,4347.39 -4378.49,4330.3 -4680.96,4330.3 -4697.66,4346.99 -4697.66,4513.84 -4681.56,4529.94 -4378.49,4529.94
NetC214G_1 on MidPlane_2 (split plane): -4361.4,4723.48 -4361.4,4558.02 -4379.28,4540.14 -4680.77,4540.14 -4697.66,4557.03 -4697.66,4723.87 -4680.96,4740.57 -4378.49,4740.57
NetC214F_1 on MidPlane_2 (split plane): -4361.4,4162.46 -4361.4,3996.99 -4379.28,3979.11 -4680.77,3979.11 -4697.66,3996 -4697.66,4162.85 -4680.96,4179.55 -4378.49,4179.55
NetC214H_1 on MidPlane_2 (split plane): -4361.4,5284.5 -4361.4,5119.04 -4379.28,5101.16 -4680.77,5101.16 -4697.66,5118.05 -4697.66,5284.9 -4680.96,5301.6 -4378.49,5301.6
NetC219H_1 on MidPlane_2 (split plane): -4361.4,5073.87 -4361.4,4908.41 -4378.49,4891.32 -4680.96,4891.32 -4697.66,4908.02 -4697.66,5074.86 -4681.56,5090.97 -4378.49,5090.97
NetC214E_1 on MidPlane_2 (split plane): -4361.4,3601.43 -4361.4,3435.97 -4379.28,3418.09 -4680.77,3418.09 -4697.66,3434.98 -4697.66,3601.82 -4680.96,3618.52 -4378.49,3618.52
NetC219F_1 on MidPlane_2 (split plane): -4361.4,3951.83 -4361.4,3786.36 -4378.49,3769.27 -4680.96,3769.27 -4697.66,3785.97 -4697.66,3952.82 -4681.56,3968.92 -4378.49,3968.92
NetC219E_1 on MidPlane_2 (split plane): -4361.4,3390.8 -4361.4,3225.34 -4378.49,3208.25 -4680.96,3208.25 -4697.66,3224.95 -4697.66,3391.79 -4681.56,3407.89 -4378.49,3407.89
NetC214D_1 on MidPlane_2 (split plane): -4361.96,2277.41 -4361.96,2111.95 -4379.84,2094.07 -4681.33,2094.07 -4698.22,2110.96 -4698.22,2277.8 -4681.52,2294.5 -4379.05,2294.5
NetC214B_1 on MidPlane_2 (split plane): -4361.96,1155.36 -4361.96,989.9 -4379.84,972.02 -4681.33,972.02 -4698.22,988.91 -4698.22,1155.75 -4681.52,1172.45 -4379.05,1172.45
P2V5_CLEAN on MidPlane_2 (split plane): -4636.68,2758.6 -4635.02,2757.49 -4633.07,2757.11 -4372.58,2757.11 -4344.86,2729.38 -4344.86,2630.46 -4371.8,2603.52 -5085.68,2603.52 -5105.53,2623.37 -5105.53,2858.52 -5062.46,2901.59 -4779.67,2901.59
P3V3_CLEAN on MidPlane_2 (split plane): -4512.27,2888.91 -4510.61,2887.81 -4508.66,2887.42 -4373.77,2887.42 -4345.26,2858.91 -4345.26,2794.63 -4372.58,2767.3 -4630.96,2767.3 -4773.95,2910.3 -4775.61,2911.4 -4777.56,2911.79 -5064.57,2911.79 -5066.52,2911.4 -5068.17,2910.3 -5114.23,2864.23 -5115.34,2862.58 -5115.73,2860.63 -5115.73,2623.37 -5135.58,2603.52 -5567.06,2603.52 -5601.2,2637.67 -5601.2,3012.46 -5547.89,3065.77 -4689.12,3065.77
NetC219D_1 on MidPlane_2 (split plane): -4361.96,2066.78 -4361.96,1901.32 -4379.05,1884.22 -4681.52,1884.22 -4698.22,1900.92 -4698.22,2067.77 -4682.12,2083.87 -4379.05,2083.87
NetC214C_1 on MidPlane_2 (split plane): -4361.96,1716.38 -4361.96,1550.92 -4379.84,1533.04 -4681.33,1533.04 -4698.22,1549.93 -4698.22,1716.78 -4681.52,1733.48 -4379.05,1733.48
NetC219C_1 on MidPlane_2 (split plane): -4361.96,1505.75 -4361.96,1340.29 -4379.05,1323.2 -4681.52,1323.2 -4698.22,1339.9 -4698.22,1506.75 -4682.12,1522.85 -4379.05,1522.85
GND on MidPlane_2 (split plane): 228 vertices, not listed, extent -6161.02,-140.87 983.79,5665.43
NetC219A_1 on MidPlane_2 (split plane): -4361.96,383.71 -4361.96,218.25 -4379.05,201.15 -4681.52,201.15 -4698.22,217.85 -4698.22,384.7 -4682.12,400.8 -4379.05,400.8
NetC219B_1 on MidPlane_2 (split plane): -4361.96,944.73 -4361.96,779.27 -4379.05,762.18 -4681.52,762.18 -4698.22,778.88 -4698.22,945.72 -4682.12,961.82 -4379.05,961.82
NetC214A_1 on MidPlane_2 (split plane): -4361.96,594.34 -4361.96,428.88 -4379.84,411 -4681.33,411 -4698.22,427.88 -4698.22,594.73 -4681.52,611.43 -4379.05,611.43

## Keep-outs
Bottom Layer:
  lines w7.99: -1963.58,4101.38 -1561.64,4101.38 cw(c-1561.64,4047.61) -1523.62,4085.63 cw(c-1559.26,4049.99) -1508.86,4049.99 -1508.86,3641.44 ; -1450.79,4961.96 -906.23,4961.96 ccw(c-906.23,5061.96) -835.52,4991.25 -833.42,4993.35 ccw(c-904.13,5064.06) -804.13,5064.06 -804.13,5248.03
Keep-Out Layer:
  the board outline again, w5

## Other copper
Top Layer:
  rectangle net NetC280_1: -1156.69,2088.58 -923.62,2254.33
  rectangle net NetC11_1: -335.83,2088.58 -59.45,2274.8
  text "MK RTM SFP v1.0" at -3519.68,5488.19 h59.06
  text "L1" at -1082.68,5472.44 h59.06